# Altium PCB AVR64DA64-BREAKOUT.PcbDoc (part 3 of 4) (continued)
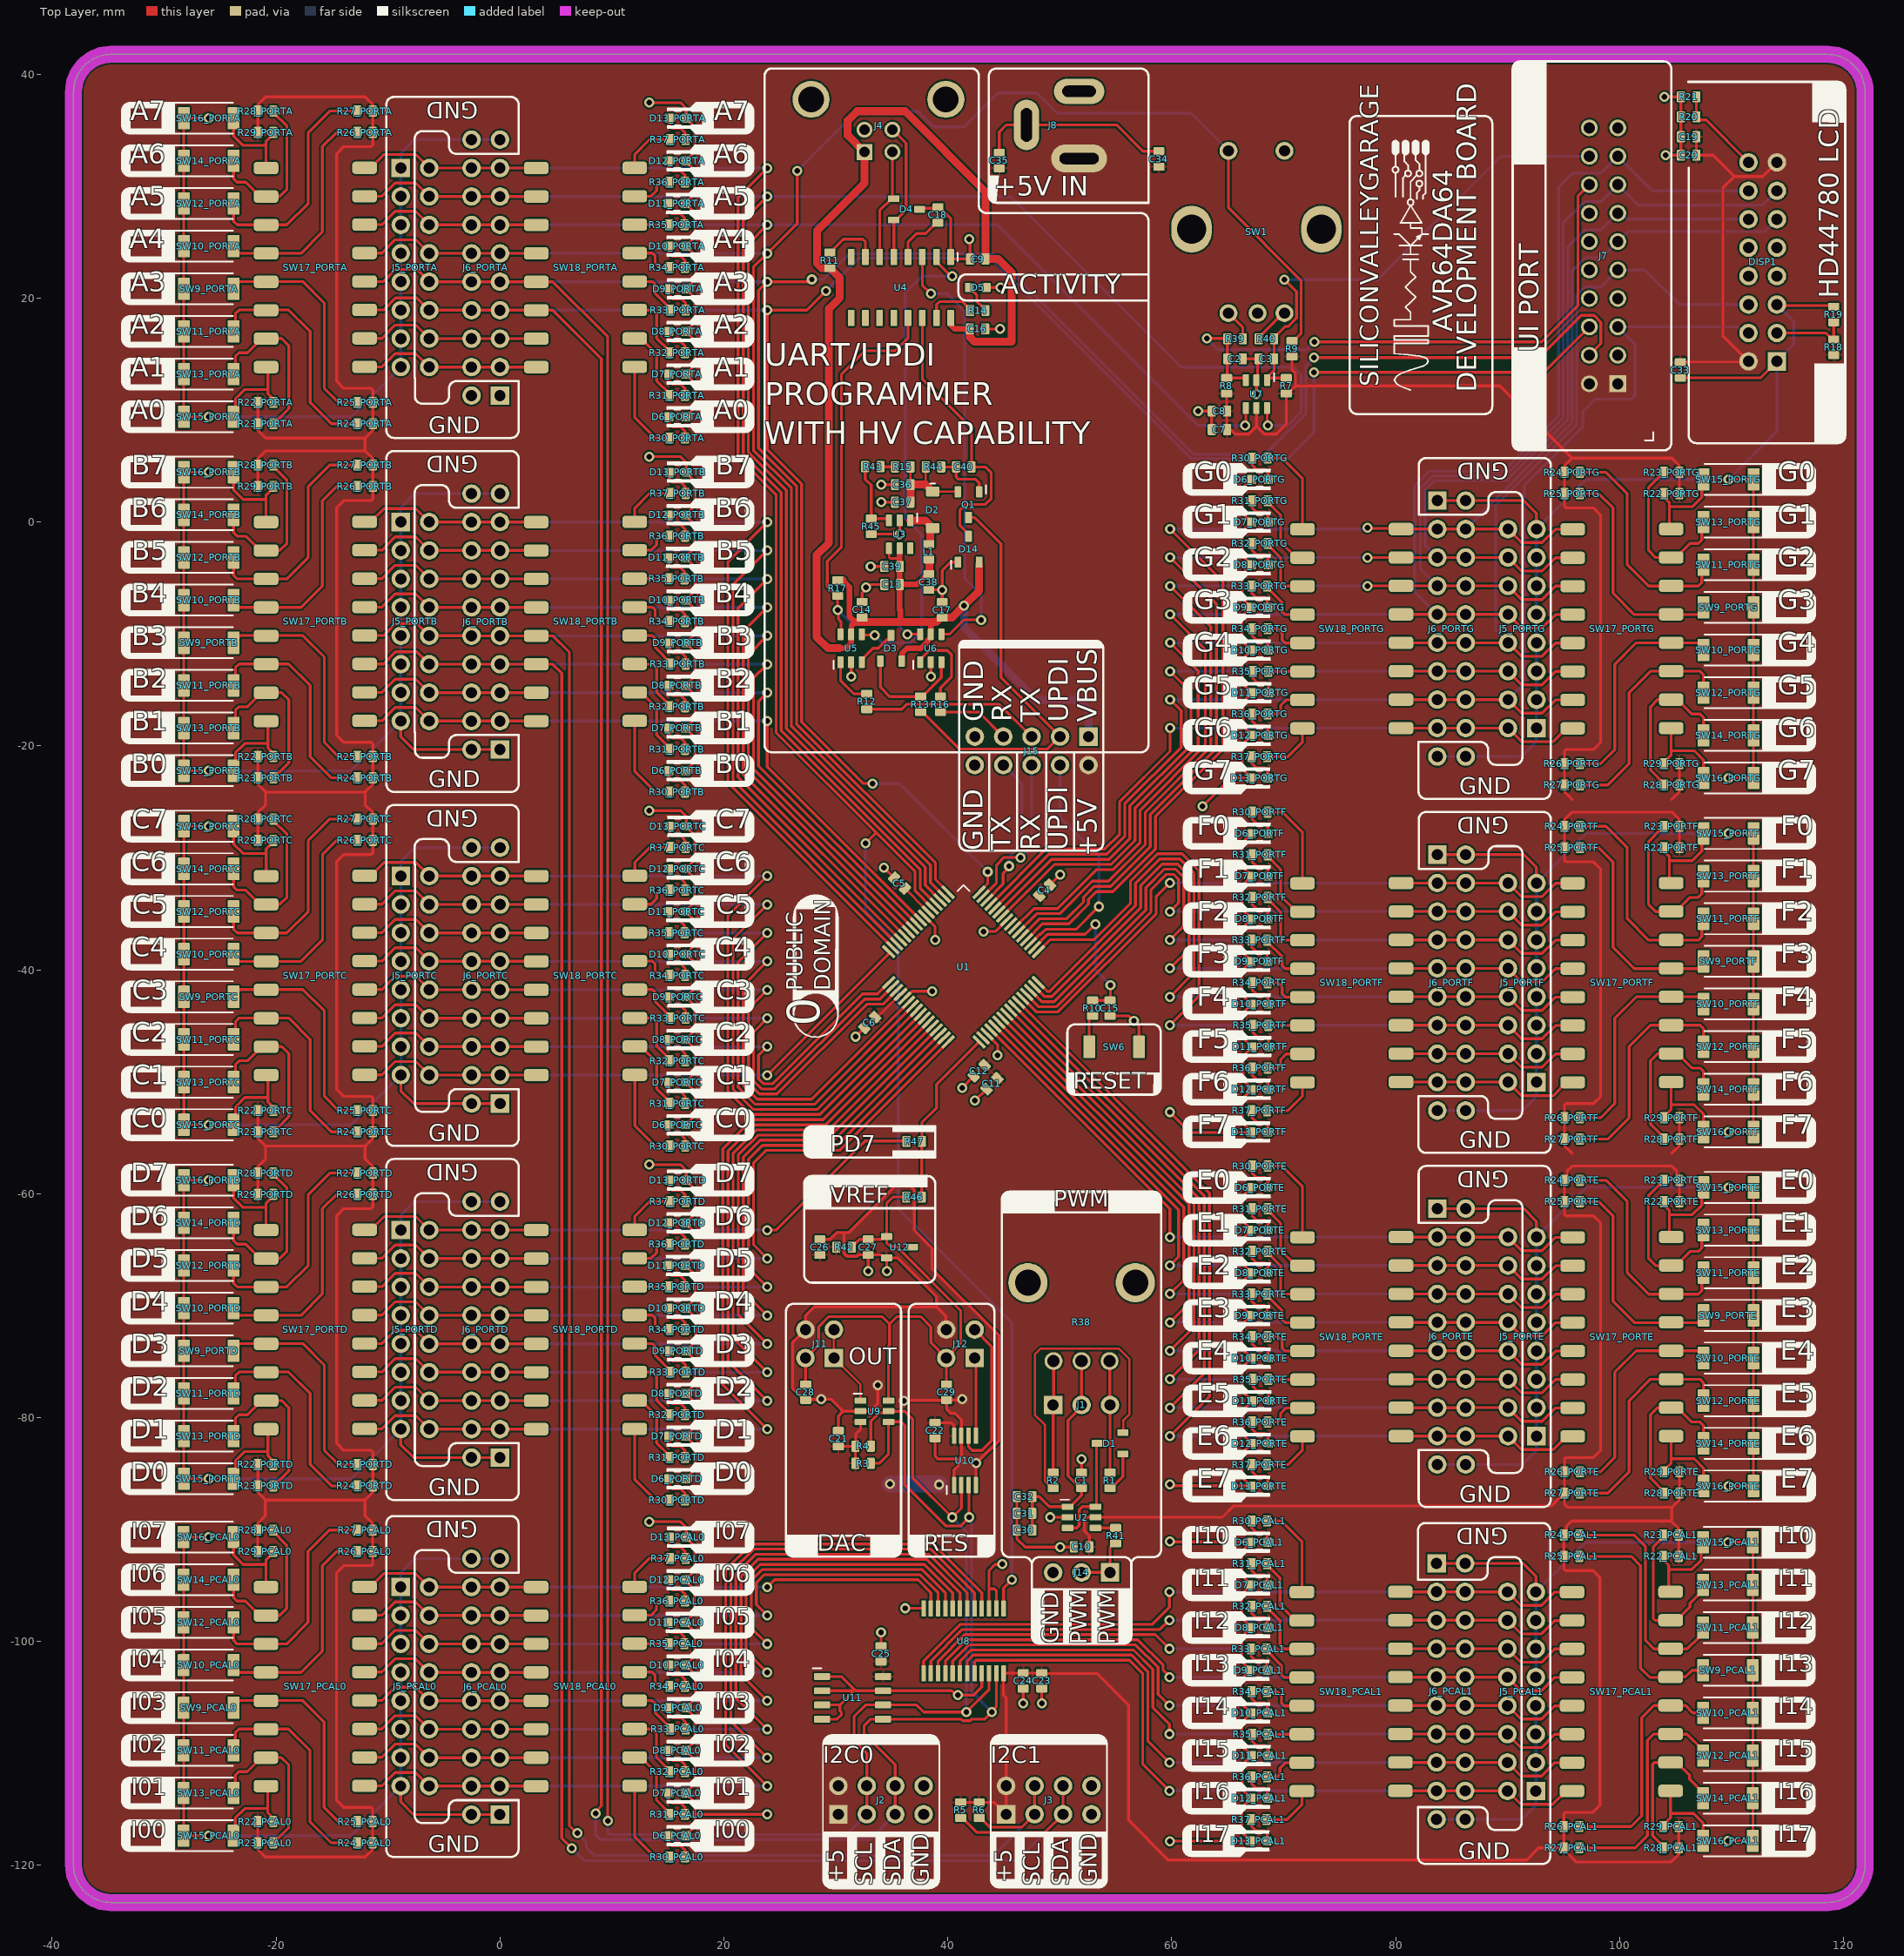
[diagram p0: Top Layer view]
## Nets (pads, with @x,y where several pads share a name; then routed paths per layer and width w, separated by ;. In a path a pad name is that pad's centre, name@x,y a point inside that pad or via, vN(x,y) a via of type N, cw(c..) or ccw(c..) an arc to the next point about the centre after c; other vN are vias at no path point) (continued)
NetR22_PORTB_2: R22_PORTB.2 SW15_PORTB.2 SW17_PORTB.16 | length 8.3
  Top Layer w0.254: SW15_PORTB.2@-23.629,-22.213 -23.629,-20.623 -22.784,-19.778 -20.729,-19.778 ; SW17_PORTB.16@-20.729,-17.755 -20.729,-19.778 ; R22_PORTB.2@-20.084,-20.943 -20.084,-20.808 -20.729,-20.163 -20.729,-19.778
NetR22_PORTC_2: R22_PORTC.2 SW15_PORTC.2 SW17_PORTC.16 | length 8.3
  Top Layer w0.254: SW15_PORTC.2@-23.625,-53.836 -23.625,-52.246 -22.78,-51.401 -20.725,-51.401 ; SW17_PORTC.16@-20.725,-49.378 -20.725,-51.401 ; R22_PORTC.2@-20.08,-52.566 -20.08,-52.431 -20.725,-51.786 -20.725,-51.401
NetR22_PORTD_2: R22_PORTD.2 SW15_PORTD.2 SW17_PORTD.16 | length 8.3
  Top Layer w0.254: SW15_PORTD.2@-23.629,-85.459 -23.629,-83.869 -22.784,-83.024 -20.729,-83.024 ; SW17_PORTD.16@-20.729,-81.001 -20.729,-83.024 ; R22_PORTD.2@-20.084,-84.189 -20.084,-84.054 -20.729,-83.409 -20.729,-83.024
NetR22_PORTE_2: R22_PORTE.2 SW15_PORTE.2 SW17_PORTE.16 | length 8.3
  Top Layer w0.254: R22_PORTE.2@103.797,-60.706 103.797,-60.841 104.442,-61.486 104.442,-61.871 ; SW17_PORTE.16@104.442,-63.894 104.442,-61.871 ; SW15_PORTE.2@107.342,-59.436 107.342,-61.026 106.497,-61.871 104.442,-61.871
NetR22_PORTF_2: R22_PORTF.2 SW15_PORTF.2 SW17_PORTF.16 | length 8.3
  Top Layer w0.254: R22_PORTF.2@103.797,-29.083 103.797,-29.218 104.442,-29.863 104.442,-30.248 ; SW17_PORTF.16@104.442,-32.271 104.442,-30.248 ; SW15_PORTF.2@107.342,-27.813 107.342,-29.403 106.497,-30.248 104.442,-30.248
NetR22_PORTG_2: R22_PORTG.2 SW15_PORTG.2 SW17_PORTG.16 | length 8.3
  Top Layer w0.254: R22_PORTG.2@103.797,2.54 103.797,2.405 104.442,1.76 104.442,1.375 ; SW17_PORTG.16@104.442,-0.648 104.442,1.375 ; SW15_PORTG.2@107.342,3.81 107.342,2.22 106.497,1.375 104.442,1.375
NetR23_PCAL0_2: R23_PCAL0.2 SW13_PCAL0.2 SW17_PCAL0.15 | length 14.8
  Top Layer w0.254: SW13_PCAL0.2@-23.641,-113.538 -23.641,-111.948 -23.326,-111.633 -22.574,-111.633 -21.291,-110.35 -20.741,-110.35 -20.729,-110.363 -19.516,-110.363 -18.881,-110.998 -18.881,-116.633 -20.096,-117.848 R23_PCAL0.2@-20.096,-117.983
NetR23_PCAL1_2: R23_PCAL1.2 SW13_PCAL1.2 SW17_PCAL1.15 | length 14.1
  Top Layer w0.254: R23_PCAL1.2@103.742,-90.491 103.674,-90.559 103.674,-90.859 103.013,-91.52 103.013,-97.962 103.162,-98.111 105.089,-98.111 106.299,-96.901 106.299,-96.564 107.452,-95.411 SW13_PCAL1.2@107.452,-94.936
NetR23_PORTA_2: R23_PORTA.2 SW13_PORTA.2 SW17_PORTA.15 | length 14.8
  Top Layer w0.254: SW13_PORTA.2@-23.629,13.22 -23.629,14.81 -23.314,15.125 -22.562,15.125 -21.279,16.408 -20.729,16.408 -20.717,16.395 -19.504,16.395 -18.869,15.76 -18.869,10.125 -20.084,8.91 R23_PORTA.2@-20.084,8.775
NetR23_PORTB_2: R23_PORTB.2 SW13_PORTB.2 SW17_PORTB.15 | length 14.8
  Top Layer w0.254: SW13_PORTB.2@-23.629,-18.403 -23.629,-16.813 -23.314,-16.498 -22.562,-16.498 -21.279,-15.215 -20.729,-15.215 -20.717,-15.228 -19.504,-15.228 -18.869,-15.863 -18.869,-21.498 -20.084,-22.713 R23_PORTB.2@-20.084,-22.848
NetR23_PORTC_2: R23_PORTC.2 SW13_PORTC.2 SW17_PORTC.15 | length 14.8
  Top Layer w0.254: SW13_PORTC.2@-23.625,-50.026 -23.625,-48.436 -23.31,-48.121 -22.558,-48.121 -21.275,-46.838 -20.725,-46.838 -20.713,-46.851 -19.5,-46.851 -18.865,-47.486 -18.865,-53.121 -20.08,-54.336 R23_PORTC.2@-20.08,-54.471
NetR23_PORTD_2: R23_PORTD.2 SW13_PORTD.2 SW17_PORTD.15 | length 14.8
  Top Layer w0.254: SW13_PORTD.2@-23.629,-81.649 -23.629,-80.059 -23.314,-79.744 -22.562,-79.744 -21.279,-78.461 -20.729,-78.461 -20.717,-78.474 -19.504,-78.474 -18.869,-79.109 -18.869,-84.744 -20.084,-85.959 R23_PORTD.2@-20.084,-86.094
NetR23_PORTE_2: R23_PORTE.2 SW13_PORTE.2 SW17_PORTE.15 | length 14.8
  Top Layer w0.254: R23_PORTE.2@103.797,-58.801 103.797,-58.936 102.582,-60.151 102.582,-65.786 103.217,-66.421 104.429,-66.421 104.442,-66.434 104.992,-66.434 106.274,-65.151 107.027,-65.151 107.342,-64.836 SW13_PORTE.2@107.342,-63.246
NetR23_PORTF_2: R23_PORTF.2 SW13_PORTF.2 SW17_PORTF.15 | length 14.8
  Top Layer w0.254: R23_PORTF.2@103.797,-27.178 103.797,-27.313 102.582,-28.528 102.582,-34.163 103.217,-34.798 104.429,-34.798 104.442,-34.811 104.992,-34.811 106.274,-33.528 107.027,-33.528 107.342,-33.213 SW13_PORTF.2@107.342,-31.623
NetR23_PORTG_2: R23_PORTG.2 SW13_PORTG.2 SW17_PORTG.15 | length 14.8
  Top Layer w0.254: R23_PORTG.2@103.797,4.445 103.797,4.31 102.582,3.095 102.582,-2.54 103.217,-3.175 104.429,-3.175 104.442,-3.188 104.992,-3.188 106.274,-1.905 107.027,-1.905 107.342,-1.59 SW13_PORTG.2@107.342,0
NetR24_PCAL0_2: R24_PCAL0.2 SW11_PCAL0.2 SW17_PCAL0.14 | length 20.7
  Top Layer w0.254: SW11_PCAL0.2@-23.641,-109.728 -23.641,-108.138 -23.314,-107.81 -20.741,-107.81 -18.894,-107.81 -16.976,-109.728 -16.976,-116.078 -15.071,-117.983 R24_PCAL0.2@-12.586,-117.983
NetR24_PCAL1_2: R24_PCAL1.2 SW11_PCAL1.2 SW17_PCAL1.14 | length 21.4
  Top Layer w0.254: R24_PCAL1.2@96.232,-90.491 101.272,-90.491 102.311,-91.53 102.311,-99.904 103.071,-100.664 106.033,-100.664 107.054,-99.643 107.054,-98.979 SW11_PCAL1.2@107.287,-98.746
NetR24_PORTA_2: R24_PORTA.2 SW11_PORTA.2 SW17_PORTA.14 | length 20.7
  Top Layer w0.254: SW11_PORTA.2@-23.629,17.03 -23.629,18.62 -23.302,18.948 -20.729,18.948 -18.882,18.948 -16.964,17.03 -16.964,10.68 -15.059,8.775 R24_PORTA.2@-12.574,8.775
NetR24_PORTB_2: R24_PORTB.2 SW11_PORTB.2 SW17_PORTB.14 | length 20.7
  Top Layer w0.254: SW11_PORTB.2@-23.629,-14.593 -23.629,-13.003 -23.302,-12.675 -20.729,-12.675 -18.882,-12.675 -16.964,-14.593 -16.964,-20.943 -15.059,-22.848 R24_PORTB.2@-12.574,-22.848
NetR24_PORTC_2: R24_PORTC.2 SW11_PORTC.2 SW17_PORTC.14 | length 20.7
  Top Layer w0.254: SW11_PORTC.2@-23.625,-46.216 -23.625,-44.626 -23.298,-44.298 -20.725,-44.298 -18.878,-44.298 -16.96,-46.216 -16.96,-52.566 -15.055,-54.471 R24_PORTC.2@-12.57,-54.471
NetR24_PORTD_2: R24_PORTD.2 SW11_PORTD.2 SW17_PORTD.14 | length 20.7
  Top Layer w0.254: SW11_PORTD.2@-23.629,-77.839 -23.629,-76.249 -23.302,-75.921 -20.729,-75.921 -18.882,-75.921 -16.964,-77.839 -16.964,-84.189 -15.059,-86.094 R24_PORTD.2@-12.574,-86.094
NetR24_PORTE_2: R24_PORTE.2 SW11_PORTE.2 SW17_PORTE.14 | length 20.7
  Top Layer w0.254: R24_PORTE.2@96.287,-58.801 98.772,-58.801 100.677,-60.706 100.677,-67.056 102.594,-68.974 104.442,-68.974 107.014,-68.974 107.342,-68.646 SW11_PORTE.2@107.342,-67.056
NetR24_PORTF_2: R24_PORTF.2 SW11_PORTF.2 SW17_PORTF.14 | length 20.7
  Top Layer w0.254: R24_PORTF.2@96.287,-27.178 98.772,-27.178 100.677,-29.083 100.677,-35.433 102.594,-37.351 104.442,-37.351 107.014,-37.351 107.342,-37.023 SW11_PORTF.2@107.342,-35.433
NetR24_PORTG_2: R24_PORTG.2 SW11_PORTG.2 SW17_PORTG.14 | length 20.7
  Top Layer w0.254: R24_PORTG.2@96.287,4.445 98.772,4.445 100.677,2.54 100.677,-3.81 102.594,-5.728 104.442,-5.728 107.014,-5.728 107.342,-5.4 SW11_PORTG.2@107.342,-3.81
NetR25_PCAL0_2: R25_PCAL0.2 SW9_PCAL0.2 SW17_PCAL0.13 | length 20.4
  Top Layer w0.254: SW9_PCAL0.2@-23.641,-105.918 -23.641,-105.668 -23.243,-105.27 -20.741,-105.27 -17.624,-105.27 -15.706,-107.188 -15.706,-114.808 -14.436,-116.078 R25_PCAL0.2@-12.586,-116.078
NetR25_PCAL1_2: R25_PCAL1.2 SW9_PCAL1.2 SW17_PCAL1.13 | length 21.3
  Top Layer w0.254: R25_PCAL1.2@96.232,-92.396 101.032,-92.396 101.854,-93.218 101.854,-102.362 102.696,-103.204 104.387,-103.204 104.432,-103.158 105.884,-103.158 106.486,-102.556 SW9_PCAL1.2@107.452,-102.556
NetR25_PORTA_2: R25_PORTA.2 SW9_PORTA.2 SW17_PORTA.13 | length 20.4
  Top Layer w0.254: SW9_PORTA.2@-23.629,20.84 -23.629,21.09 -23.231,21.488 -20.729,21.488 -17.612,21.488 -15.694,19.57 -15.694,11.95 -14.424,10.68 R25_PORTA.2@-12.574,10.68
NetR25_PORTB_2: R25_PORTB.2 SW9_PORTB.2 SW17_PORTB.13 | length 20.4
  Top Layer w0.254: SW9_PORTB.2@-23.629,-10.783 -23.629,-10.533 -23.231,-10.135 -20.729,-10.135 -17.612,-10.135 -15.694,-12.053 -15.694,-19.673 -14.424,-20.943 R25_PORTB.2@-12.574,-20.943
NetR25_PORTC_2: R25_PORTC.2 SW9_PORTC.2 SW17_PORTC.13 | length 20.4
  Top Layer w0.254: SW9_PORTC.2@-23.625,-42.406 -23.625,-42.156 -23.227,-41.758 -20.725,-41.758 -17.608,-41.758 -15.69,-43.676 -15.69,-51.296 -14.42,-52.566 R25_PORTC.2@-12.57,-52.566
NetR25_PORTD_2: R25_PORTD.2 SW9_PORTD.2 SW17_PORTD.13 | length 20.4
  Top Layer w0.254: SW9_PORTD.2@-23.629,-74.029 -23.629,-73.779 -23.231,-73.381 -20.729,-73.381 -17.612,-73.381 -15.694,-75.299 -15.694,-82.919 -14.424,-84.189 R25_PORTD.2@-12.574,-84.189
NetR25_PORTE_2: R25_PORTE.2 SW9_PORTE.2 SW17_PORTE.13 | length 20.4
  Top Layer w0.254: R25_PORTE.2@96.287,-60.706 98.137,-60.706 99.407,-61.976 99.407,-69.596 101.324,-71.514 104.442,-71.514 106.944,-71.514 107.342,-71.116 SW9_PORTE.2@107.342,-70.866
NetR25_PORTF_2: R25_PORTF.2 SW9_PORTF.2 SW17_PORTF.13 | length 20.4
  Top Layer w0.254: R25_PORTF.2@96.287,-29.083 98.137,-29.083 99.407,-30.353 99.407,-37.973 101.324,-39.891 104.442,-39.891 106.944,-39.891 107.342,-39.493 SW9_PORTF.2@107.342,-39.243
NetR25_PORTG_2: R25_PORTG.2 SW9_PORTG.2 SW17_PORTG.13 | length 20.4
  Top Layer w0.254: R25_PORTG.2@96.287,2.54 98.137,2.54 99.407,1.27 99.407,-6.35 101.324,-8.268 104.442,-8.268 106.944,-8.268 107.342,-7.87 SW9_PORTG.2@107.342,-7.62
NetR26_PCAL0_2: R26_PCAL0.2 SW10_PCAL0.1 SW17_PCAL0.12 | length 20.4
  Top Layer w0.254: SW10_PCAL0.1@-23.806,-102.108 -23.806,-102.358 -23.408,-102.756 SW17_PCAL0.12@-20.906,-102.756 -17.789,-102.756 -15.871,-100.838 -15.871,-93.218 -14.601,-91.948 R26_PCAL0.2@-12.751,-91.948
NetR26_PCAL1_2: R26_PCAL1.2 SW10_PCAL1.1 SW17_PCAL1.12 | length 20.9
  Top Layer w0.254: R26_PCAL1.2@96.397,-116.526 101.025,-116.526 101.981,-115.57 101.981,-106.808 103.071,-105.718 105.892,-105.718 106.54,-106.366 SW10_PCAL1.1@107.452,-106.366
NetR26_PORTA_2: R26_PORTA.2 SW10_PORTA.1 SW17_PORTA.12 | length 20.4
  Top Layer w0.254: SW10_PORTA.1@-23.794,24.65 -23.794,24.401 -23.396,24.003 SW17_PORTA.12@-20.894,24.003 -17.777,24.003 -15.859,25.92 -15.859,33.54 -14.589,34.81 R26_PORTA.2@-12.739,34.81
NetR26_PORTB_2: R26_PORTB.2 SW10_PORTB.1 SW17_PORTB.12 | length 20.4
  Top Layer w0.254: SW10_PORTB.1@-23.794,-6.973 -23.794,-7.222 -23.396,-7.62 SW17_PORTB.12@-20.894,-7.62 -17.777,-7.62 -15.859,-5.703 -15.859,1.917 -14.589,3.187 R26_PORTB.2@-12.739,3.187
NetR26_PORTC_2: R26_PORTC.2 SW10_PORTC.1 SW17_PORTC.12 | length 20.4
  Top Layer w0.254: SW10_PORTC.1@-23.79,-38.596 -23.79,-38.845 -23.392,-39.243 SW17_PORTC.12@-20.89,-39.243 -17.773,-39.243 -15.855,-37.326 -15.855,-29.706 -14.585,-28.436 R26_PORTC.2@-12.735,-28.436
NetR26_PORTD_2: R26_PORTD.2 SW10_PORTD.1 SW17_PORTD.12 | length 20.4
  Top Layer w0.254: SW10_PORTD.1@-23.794,-70.219 -23.794,-70.468 -23.396,-70.866 SW17_PORTD.12@-20.894,-70.866 -17.777,-70.866 -15.859,-68.949 -15.859,-61.329 -14.589,-60.059 R26_PORTD.2@-12.739,-60.059
NetR26_PORTE_2: R26_PORTE.2 SW10_PORTE.1 SW17_PORTE.12 | length 20.4
  Top Layer w0.254: R26_PORTE.2@96.452,-84.836 98.302,-84.836 99.572,-83.566 99.572,-75.946 101.489,-74.028 SW17_PORTE.12@104.607,-74.028 107.109,-74.028 107.507,-74.426 SW10_PORTE.1@107.507,-74.676
NetR26_PORTF_2: R26_PORTF.2 SW10_PORTF.1 SW17_PORTF.12 | length 20.4
  Top Layer w0.254: R26_PORTF.2@96.452,-53.213 98.302,-53.213 99.572,-51.943 99.572,-44.323 101.489,-42.405 SW17_PORTF.12@104.607,-42.405 107.109,-42.405 107.507,-42.803 SW10_PORTF.1@107.507,-43.053
NetR26_PORTG_2: R26_PORTG.2 SW10_PORTG.1 SW17_PORTG.12 | length 20.4
  Top Layer w0.254: R26_PORTG.2@96.452,-21.59 98.302,-21.59 99.572,-20.32 99.572,-12.7 101.489,-10.782 SW17_PORTG.12@104.607,-10.782 107.109,-10.782 107.507,-11.18 SW10_PORTG.1@107.507,-11.43
NetR27_PCAL0_2: R27_PCAL0.2 SW12_PCAL0.1 SW17_PCAL0.11 | length 20.7
  Top Layer w0.254: SW12_PCAL0.1@-23.806,-98.298 -23.806,-99.888 -23.479,-100.216 SW17_PCAL0.11@-20.906,-100.215 -19.059,-100.216 -17.141,-98.298 -17.141,-91.948 -15.236,-90.043 R27_PCAL0.2@-12.751,-90.043
NetR27_PCAL1_2: R27_PCAL1.2 SW12_PCAL1.1 SW17_PCAL1.11 | length 21.3
  Top Layer w0.254: R27_PCAL1.2@96.397,-118.431 101.406,-118.431 102.489,-117.348 102.489,-108.84 103.071,-108.258 SW17_PCAL1.11@104.552,-108.258 104.575,-108.282 106.033,-108.282 107.452,-109.701 SW12_PCAL1.1@107.452,-110.176
NetR27_PORTA_2: R27_PORTA.2 SW12_PORTA.1 SW17_PORTA.11 | length 20.7
  Top Layer w0.254: SW12_PORTA.1@-23.794,28.46 -23.794,26.87 -23.467,26.543 SW17_PORTA.11@-20.894,26.543 -19.047,26.543 -17.129,28.46 -17.129,34.81 -15.224,36.715 R27_PORTA.2@-12.739,36.715
NetR27_PORTB_2: R27_PORTB.2 SW12_PORTB.1 SW17_PORTB.11 | length 20.7
  Top Layer w0.254: SW12_PORTB.1@-23.794,-3.163 -23.794,-4.753 -23.467,-5.08 SW17_PORTB.11@-20.894,-5.08 -19.047,-5.08 -17.129,-3.163 -17.129,3.187 -15.224,5.092 R27_PORTB.2@-12.739,5.092
NetR27_PORTC_2: R27_PORTC.2 SW12_PORTC.1 SW17_PORTC.11 | length 20.7
  Top Layer w0.254: SW12_PORTC.1@-23.79,-34.786 -23.79,-36.376 -23.463,-36.703 SW17_PORTC.11@-20.89,-36.703 -19.043,-36.703 -17.125,-34.786 -17.125,-28.436 -15.22,-26.531 R27_PORTC.2@-12.735,-26.531
NetR27_PORTD_2: R27_PORTD.2 SW12_PORTD.1 SW17_PORTD.11 | length 20.7
  Top Layer w0.254: SW12_PORTD.1@-23.794,-66.409 -23.794,-67.999 -23.467,-68.326 SW17_PORTD.11@-20.894,-68.326 -19.047,-68.326 -17.129,-66.409 -17.129,-60.059 -15.224,-58.154 R27_PORTD.2@-12.739,-58.154
NetR27_PORTE_2: R27_PORTE.2 SW12_PORTE.1 SW17_PORTE.11 | length 20.7
  Top Layer w0.254: R27_PORTE.2@96.452,-86.741 98.937,-86.741 100.842,-84.836 100.842,-78.486 102.759,-76.568 SW17_PORTE.11@104.607,-76.568 107.179,-76.568 107.507,-76.896 SW12_PORTE.1@107.507,-78.486
NetR27_PORTF_2: R27_PORTF.2 SW12_PORTF.1 SW17_PORTF.11 | length 20.7
  Top Layer w0.254: R27_PORTF.2@96.452,-55.118 98.937,-55.118 100.842,-53.213 100.842,-46.863 102.759,-44.945 SW17_PORTF.11@104.607,-44.945 107.179,-44.945 107.507,-45.273 SW12_PORTF.1@107.507,-46.863
NetR27_PORTG_2: R27_PORTG.2 SW12_PORTG.1 SW17_PORTG.11 | length 20.7
  Top Layer w0.254: R27_PORTG.2@96.452,-23.495 98.937,-23.495 100.842,-21.59 100.842,-15.24 102.759,-13.322 SW17_PORTG.11@104.607,-13.322 107.179,-13.322 107.507,-13.65 SW12_PORTG.1@107.507,-15.24
NetR28_PCAL0_2: R28_PCAL0.2 SW14_PCAL0.1 SW17_PCAL0.10 | length 14.8
  Top Layer w0.254: SW14_PCAL0.1@-23.806,-94.488 -23.806,-96.078 -23.491,-96.393 -22.739,-96.393 -21.456,-97.676 SW17_PCAL0.10@-20.906,-97.676 -20.894,-97.663 -19.681,-97.663 -19.046,-97.028 -19.046,-91.393 -20.261,-90.178 R28_PCAL0.2@-20.261,-90.043
NetR28_PCAL1_2: R28_PCAL1.2 SW14_PCAL1.1 SW17_PCAL1.10 | length 14.2
  Top Layer w0.254: R28_PCAL1.2@103.907,-118.431 103.907,-118.296 102.946,-117.335 102.946,-110.96 103.095,-110.811 SW17_PCAL1.10@104.552,-110.811 ; SW17_PCAL1.10@104.552,-110.799 105.102,-110.799 106.244,-111.94 106.244,-112.303 107.452,-113.511 SW14_PCAL1.1@107.452,-113.986
NetR28_PORTA_2: R28_PORTA.2 SW14_PORTA.1 SW17_PORTA.10 | length 14.8
  Top Layer w0.254: SW14_PORTA.1@-23.794,32.27 -23.794,30.68 -23.479,30.365 -22.727,30.365 -21.444,29.083 SW17_PORTA.10@-20.894,29.083 -20.882,29.095 -19.669,29.095 -19.034,29.73 -19.034,35.365 -20.249,36.58 R28_PORTA.2@-20.249,36.715
NetR28_PORTB_2: R28_PORTB.2 SW14_PORTB.1 SW17_PORTB.10 | length 14.8
  Top Layer w0.254: SW14_PORTB.1@-23.794,0.647 -23.794,-0.943 -23.479,-1.258 -22.727,-1.258 -21.444,-2.54 SW17_PORTB.10@-20.894,-2.54 -20.882,-2.528 -19.669,-2.528 -19.034,-1.893 -19.034,3.742 -20.249,4.957 R28_PORTB.2@-20.249,5.092
NetR28_PORTC_2: R28_PORTC.2 SW14_PORTC.1 SW17_PORTC.10 | length 14.8
  Top Layer w0.254: SW14_PORTC.1@-23.79,-30.976 -23.79,-32.566 -23.475,-32.881 -22.723,-32.881 -21.44,-34.163 SW17_PORTC.10@-20.89,-34.163 -20.878,-34.151 -19.665,-34.151 -19.03,-33.516 -19.03,-27.881 -20.245,-26.666 R28_PORTC.2@-20.245,-26.531
NetR28_PORTD_2: R28_PORTD.2 SW14_PORTD.1 SW17_PORTD.10 | length 14.8
  Top Layer w0.254: SW14_PORTD.1@-23.794,-62.599 -23.794,-64.189 -23.479,-64.504 -22.727,-64.504 -21.444,-65.786 SW17_PORTD.10@-20.894,-65.786 -20.882,-65.774 -19.669,-65.774 -19.034,-65.139 -19.034,-59.504 -20.249,-58.289 R28_PORTD.2@-20.249,-58.154
NetR28_PORTE_2: R28_PORTE.2 SW14_PORTE.1 SW17_PORTE.10 | length 14.8
  Top Layer w0.254: R28_PORTE.2@103.962,-86.741 103.962,-86.606 102.747,-85.391 102.747,-79.756 103.382,-79.121 104.594,-79.121 SW17_PORTE.10@104.607,-79.108 105.157,-79.108 106.439,-80.391 107.192,-80.391 107.507,-80.706 SW14_PORTE.1@107.507,-82.296
NetR28_PORTF_2: R28_PORTF.2 SW14_PORTF.1 SW17_PORTF.10 | length 14.8
  Top Layer w0.254: R28_PORTF.2@103.962,-55.118 103.962,-54.983 102.747,-53.768 102.747,-48.133 103.382,-47.498 104.594,-47.498 SW17_PORTF.10@104.607,-47.485 105.157,-47.485 106.439,-48.768 107.192,-48.768 107.507,-49.083 SW14_PORTF.1@107.507,-50.673
NetR28_PORTG_2: R28_PORTG.2 SW14_PORTG.1 SW17_PORTG.10 | length 14.8
  Top Layer w0.254: R28_PORTG.2@103.962,-23.495 103.962,-23.36 102.747,-22.145 102.747,-16.51 103.382,-15.875 104.594,-15.875 SW17_PORTG.10@104.607,-15.862 105.157,-15.862 106.439,-17.145 107.192,-17.145 107.507,-17.46 SW14_PORTG.1@107.507,-19.05
NetR29_PCAL0_2: R29_PCAL0.2 SW16_PCAL0.1 SW17_PCAL0.9 | length 8.3
  Top Layer w0.254: SW16_PCAL0.1@-23.806,-90.678 -23.806,-92.268 -22.961,-93.113 -20.906,-93.113 ; SW17_PCAL0.9@-20.906,-95.136 -20.906,-93.113 ; R29_PCAL0.2@-20.261,-91.948 -20.261,-92.083 -20.906,-92.728 -20.906,-93.113
NetR29_PCAL1_2: R29_PCAL1.2 SW16_PCAL1.1 SW17_PCAL1.9 | length 8.3
  Top Layer w0.254: R29_PCAL1.2@103.907,-116.526 103.907,-116.391 104.552,-115.746 104.552,-115.361 ; SW17_PCAL1.9@104.552,-113.338 104.552,-115.361 ; SW16_PCAL1.1@107.452,-117.796 107.452,-116.206 106.607,-115.361 104.552,-115.361
NetR29_PORTA_2: R29_PORTA.2 SW16_PORTA.1 SW17_PORTA.9 | length 8.3
  Top Layer w0.254: SW16_PORTA.1@-23.794,36.08 -23.794,34.49 -22.949,33.645 -20.894,33.645 ; SW17_PORTA.9@-20.894,31.623 -20.894,33.645 ; R29_PORTA.2@-20.249,34.81 -20.249,34.675 -20.894,34.03 -20.894,33.645
NetR29_PORTB_2: R29_PORTB.2 SW16_PORTB.1 SW17_PORTB.9 | length 8.3
  Top Layer w0.254: SW16_PORTB.1@-23.794,4.457 -23.794,2.867 -22.949,2.022 -20.894,2.022 ; SW17_PORTB.9@-20.894,0 -20.894,2.022 ; R29_PORTB.2@-20.249,3.187 -20.249,3.052 -20.894,2.407 -20.894,2.022
NetR29_PORTC_2: R29_PORTC.2 SW16_PORTC.1 SW17_PORTC.9 | length 8.3
  Top Layer w0.254: SW16_PORTC.1@-23.79,-27.166 -23.79,-28.756 -22.945,-29.601 -20.89,-29.601 ; SW17_PORTC.9@-20.89,-31.623 -20.89,-29.601 ; R29_PORTC.2@-20.245,-28.436 -20.245,-28.571 -20.89,-29.216 -20.89,-29.601
NetR29_PORTD_2: R29_PORTD.2 SW16_PORTD.1 SW17_PORTD.9 | length 8.3
  Top Layer w0.254: SW16_PORTD.1@-23.794,-58.789 -23.794,-60.379 -22.949,-61.224 -20.894,-61.224 ; SW17_PORTD.9@-20.894,-63.246 -20.894,-61.224 ; R29_PORTD.2@-20.249,-60.059 -20.249,-60.194 -20.894,-60.839 -20.894,-61.224
NetR29_PORTE_2: R29_PORTE.2 SW16_PORTE.1 SW17_PORTE.9 | length 8.3
  Top Layer w0.254: R29_PORTE.2@103.962,-84.836 103.962,-84.701 104.607,-84.056 104.607,-83.671 ; SW17_PORTE.9@104.607,-81.648 104.607,-83.671 ; SW16_PORTE.1@107.507,-86.106 107.507,-84.516 106.662,-83.671 104.607,-83.671
NetR29_PORTF_2: R29_PORTF.2 SW16_PORTF.1 SW17_PORTF.9 | length 8.3
  Top Layer w0.254: R29_PORTF.2@103.962,-53.213 103.962,-53.078 104.607,-52.433 104.607,-52.048 ; SW17_PORTF.9@104.607,-50.025 104.607,-52.048 ; SW16_PORTF.1@107.507,-54.483 107.507,-52.893 106.662,-52.048 104.607,-52.048
NetR29_PORTG_2: R29_PORTG.2 SW16_PORTG.1 SW17_PORTG.9 | length 8.3
  Top Layer w0.254: R29_PORTG.2@103.962,-21.59 103.962,-21.455 104.607,-20.81 104.607,-20.425 ; SW17_PORTG.9@104.607,-18.402 104.607,-20.425 ; SW16_PORTG.1@107.507,-22.86 107.507,-21.27 106.662,-20.425 104.607,-20.425
NetR30_PCAL0_2: R30_PCAL0.2 SW18_PCAL0.1 | length 8.4
  Top Layer w0.254: SW18_PCAL0.1@12.024,-112.891 12.024,-117.43 13.847,-119.253 R30_PCAL0.2@15.134,-119.253
NetR30_PCAL1_2: R30_PCAL1.2 SW18_PCAL1.1 | length 8.4
  Top Layer w0.254: R30_PCAL1.2@68.512,-89.221 69.799,-89.221 71.622,-91.044 SW18_PCAL1.1@71.622,-95.584
NetR30_PORTA_2: R30_PORTA.2 SW18_PORTA.1 | length 8.4
  Top Layer w0.254: SW18_PORTA.1@12.036,13.868 12.036,9.328 13.859,7.505 R30_PORTA.2@15.146,7.505
NetR30_PORTB_2: R30_PORTB.2 SW18_PORTB.1 | length 8.4
  Top Layer w0.254: SW18_PORTB.1@12.036,-17.755 12.036,-22.295 13.859,-24.118 R30_PORTB.2@15.146,-24.118
NetR30_PORTC_2: R30_PORTC.2 SW18_PORTC.1 | length 8.4
  Top Layer w0.254: SW18_PORTC.1@12.04,-49.378 12.04,-53.918 13.863,-55.741 R30_PORTC.2@15.15,-55.741
NetR30_PORTD_2: R30_PORTD.2 SW18_PORTD.1 | length 8.4
  Top Layer w0.254: SW18_PORTD.1@12.036,-81.001 12.036,-85.541 13.859,-87.364 R30_PORTD.2@15.146,-87.364
NetR30_PORTE_2: R30_PORTE.2 SW18_PORTE.1 | length 8.4
  Top Layer w0.254: R30_PORTE.2@68.567,-57.531 69.854,-57.531 71.677,-59.354 SW18_PORTE.1@71.677,-63.893
NetR30_PORTF_2: R30_PORTF.2 SW18_PORTF.1 | length 8.4
  Top Layer w0.254: R30_PORTF.2@68.567,-25.908 69.854,-25.908 71.677,-27.731 SW18_PORTF.1@71.677,-32.27
NetR30_PORTG_2: R30_PORTG.2 SW18_PORTG.1 | length 8.4
  Top Layer w0.254: R30_PORTG.2@68.567,5.715 69.854,5.715 71.677,3.892 SW18_PORTG.1@71.677,-0.647
NetR31_PCAL0_2: R31_PCAL0.2 SW18_PCAL0.2 | length 6.7
  Top Layer w0.254: SW18_PCAL0.2@12.024,-110.351 12.574,-110.351 13.974,-111.751 13.974,-114.148 15.134,-115.308 R31_PCAL0.2@15.134,-115.443
NetR31_PCAL1_2: R31_PCAL1.2 SW18_PCAL1.2 | length 6.7
  Top Layer w0.254: R31_PCAL1.2@68.512,-93.031 68.512,-93.166 69.672,-94.326 69.672,-96.723 71.072,-98.123 SW18_PCAL1.2@71.622,-98.123
NetR31_PORTA_2: R31_PORTA.2 SW18_PORTA.2 | length 6.7
  Top Layer w0.254: SW18_PORTA.2@12.036,16.408 12.586,16.408 13.986,15.008 13.986,12.61 15.146,11.45 R31_PORTA.2@15.146,11.315
NetR31_PORTB_2: R31_PORTB.2 SW18_PORTB.2 | length 6.7
  Top Layer w0.254: SW18_PORTB.2@12.036,-15.215 12.586,-15.215 13.986,-16.615 13.986,-19.013 15.146,-20.173 R31_PORTB.2@15.146,-20.308
NetR31_PORTC_2: R31_PORTC.2 SW18_PORTC.2 | length 6.7
  Top Layer w0.254: SW18_PORTC.2@12.04,-46.838 12.59,-46.838 13.99,-48.238 13.99,-50.636 15.15,-51.796 R31_PORTC.2@15.15,-51.931
NetR31_PORTD_2: R31_PORTD.2 SW18_PORTD.2 | length 6.7
  Top Layer w0.254: SW18_PORTD.2@12.036,-78.461 12.586,-78.461 13.986,-79.861 13.986,-82.259 15.146,-83.419 R31_PORTD.2@15.146,-83.554
NetR31_PORTE_2: R31_PORTE.2 SW18_PORTE.2 | length 6.7
  Top Layer w0.254: R31_PORTE.2@68.567,-61.341 68.567,-61.476 69.727,-62.636 69.727,-65.033 71.127,-66.433 SW18_PORTE.2@71.677,-66.433
NetR31_PORTF_2: R31_PORTF.2 SW18_PORTF.2 | length 6.7
  Top Layer w0.254: R31_PORTF.2@68.567,-29.718 68.567,-29.853 69.727,-31.013 69.727,-33.41 71.127,-34.81 SW18_PORTF.2@71.677,-34.81
NetR31_PORTG_2: R31_PORTG.2 SW18_PORTG.2 | length 6.7
  Top Layer w0.254: R31_PORTG.2@68.567,1.905 68.567,1.77 69.727,0.61 69.727,-1.787 71.127,-3.187 SW18_PORTG.2@71.677,-3.187
NetR32_PCAL0_2: R32_PCAL0.2 SW18_PCAL0.3 | length 6
  Top Layer w0.254: SW18_PCAL0.3@12.024,-107.811 12.036,-107.823 13.593,-107.823 13.974,-108.204 13.974,-110.338 15.134,-111.498 R32_PCAL0.2@15.134,-111.633
NetR32_PCAL1_2: R32_PCAL1.2 SW18_PCAL1.3 | length 6
  Top Layer w0.254: R32_PCAL1.2@68.512,-96.841 68.512,-96.976 69.672,-98.136 69.672,-100.27 70.053,-100.651 71.609,-100.651 SW18_PCAL1.3@71.622,-100.663
NetR32_PORTA_2: R32_PORTA.2 SW18_PORTA.3 | length 6
  Top Layer w0.254: SW18_PORTA.3@12.036,18.948 12.048,18.935 13.605,18.935 13.986,18.554 13.986,16.42 15.146,15.26 R32_PORTA.2@15.146,15.125
NetR32_PORTB_2: R32_PORTB.2 SW18_PORTB.3 | length 6
  Top Layer w0.254: SW18_PORTB.3@12.036,-12.675 12.048,-12.688 13.605,-12.688 13.986,-13.069 13.986,-15.203 15.146,-16.363 R32_PORTB.2@15.146,-16.498
NetR32_PORTC_2: R32_PORTC.2 SW18_PORTC.3 | length 6
  Top Layer w0.254: SW18_PORTC.3@12.04,-44.298 12.052,-44.311 13.609,-44.311 13.99,-44.692 13.99,-46.826 15.15,-47.986 R32_PORTC.2@15.15,-48.121
NetR32_PORTD_2: R32_PORTD.2 SW18_PORTD.3 | length 6
  Top Layer w0.254: SW18_PORTD.3@12.036,-75.921 12.048,-75.934 13.605,-75.934 13.986,-76.315 13.986,-78.449 15.146,-79.609 R32_PORTD.2@15.146,-79.744
NetR32_PORTE_2: R32_PORTE.2 SW18_PORTE.3 | length 6
  Top Layer w0.254: R32_PORTE.2@68.567,-65.151 68.567,-65.286 69.727,-66.446 69.727,-68.58 70.108,-68.961 71.664,-68.961 SW18_PORTE.3@71.677,-68.973
NetR32_PORTF_2: R32_PORTF.2 SW18_PORTF.3 | length 6
  Top Layer w0.254: R32_PORTF.2@68.567,-33.528 68.567,-33.663 69.727,-34.823 69.727,-36.957 70.108,-37.338 71.664,-37.338 SW18_PORTF.3@71.677,-37.35
NetR32_PORTG_2: R32_PORTG.2 SW18_PORTG.3 | length 6
  Top Layer w0.254: R32_PORTG.2@68.567,-1.905 68.567,-2.04 69.727,-3.2 69.727,-5.334 70.108,-5.715 71.664,-5.715 SW18_PORTG.3@71.677,-5.727
NetR33_PCAL0_2: R33_PCAL0.2 SW18_PCAL0.4 | length 4.8
  Top Layer w0.254: SW18_PCAL0.4@12.024,-105.271 13.58,-105.271 13.847,-105.537 13.847,-106.346 15.189,-107.688 R33_PCAL0.2@15.189,-107.823
NetR33_PCAL1_2: R33_PCAL1.2 SW18_PCAL1.4 | length 4.8
  Top Layer w0.254: R33_PCAL1.2@68.457,-100.651 68.457,-100.786 69.799,-102.128 69.799,-102.937 70.065,-103.203 SW18_PCAL1.4@71.622,-103.203
NetR33_PORTA_2: R33_PORTA.2 SW18_PORTA.4 | length 4.8
  Top Layer w0.254: SW18_PORTA.4@12.036,21.488 13.592,21.488 13.859,21.221 13.859,20.412 15.201,19.07 R33_PORTA.2@15.201,18.935
NetR33_PORTB_2: R33_PORTB.2 SW18_PORTB.4 | length 4.8
  Top Layer w0.254: SW18_PORTB.4@12.036,-10.135 13.592,-10.135 13.859,-10.402 13.859,-11.211 15.201,-12.553 R33_PORTB.2@15.201,-12.688
NetR33_PORTC_2: R33_PORTC.2 SW18_PORTC.4 | length 4.8
  Top Layer w0.254: SW18_PORTC.4@12.04,-41.758 13.596,-41.758 13.863,-42.025 13.863,-42.834 15.205,-44.176 R33_PORTC.2@15.205,-44.311
NetR33_PORTD_2: R33_PORTD.2 SW18_PORTD.4 | length 4.8
  Top Layer w0.254: SW18_PORTD.4@12.036,-73.381 13.592,-73.381 13.859,-73.648 13.859,-74.457 15.201,-75.799 R33_PORTD.2@15.201,-75.934
NetR33_PORTE_2: R33_PORTE.2 SW18_PORTE.4 | length 4.8
  Top Layer w0.254: R33_PORTE.2@68.512,-68.961 68.512,-69.096 69.854,-70.438 69.854,-71.247 70.12,-71.513 SW18_PORTE.4@71.677,-71.513
NetR33_PORTF_2: R33_PORTF.2 SW18_PORTF.4 | length 4.8
  Top Layer w0.254: R33_PORTF.2@68.512,-37.338 68.512,-37.473 69.854,-38.815 69.854,-39.624 70.12,-39.89 SW18_PORTF.4@71.677,-39.89
NetR33_PORTG_2: R33_PORTG.2 SW18_PORTG.4 | length 4.8
  Top Layer w0.254: R33_PORTG.2@68.512,-5.715 68.512,-5.85 69.854,-7.192 69.854,-8.001 70.12,-8.267 SW18_PORTG.4@71.677,-8.267
NetR34_PCAL0_2: R34_PCAL0.2 SW18_PCAL0.5 | length 4
  Top Layer w0.254: SW18_PCAL0.5@12.024,-102.731 13.58,-102.731 13.847,-102.997 13.847,-103.632 14.228,-104.013 R34_PCAL0.2@15.134,-104.013
NetR34_PCAL1_2: R34_PCAL1.2 SW18_PCAL1.5 | length 4
  Top Layer w0.254: R34_PCAL1.2@68.512,-104.461 69.418,-104.461 69.799,-104.842 69.799,-105.477 70.065,-105.743 SW18_PCAL1.5@71.622,-105.743
NetR34_PORTA_2: R34_PORTA.2 SW18_PORTA.5 | length 4
  Top Layer w0.254: SW18_PORTA.5@12.036,24.028 13.592,24.028 13.859,23.761 13.859,23.126 14.24,22.745 R34_PORTA.2@15.146,22.745
NetR34_PORTB_2: R34_PORTB.2 SW18_PORTB.5 | length 4
  Top Layer w0.254: SW18_PORTB.5@12.036,-7.595 13.592,-7.595 13.859,-7.862 13.859,-8.497 14.24,-8.878 R34_PORTB.2@15.146,-8.878
NetR34_PORTC_2: R34_PORTC.2 SW18_PORTC.5 | length 4
  Top Layer w0.254: SW18_PORTC.5@12.04,-39.218 13.596,-39.218 13.863,-39.485 13.863,-40.12 14.244,-40.501 R34_PORTC.2@15.15,-40.501
NetR34_PORTD_2: R34_PORTD.2 SW18_PORTD.5 | length 4
  Top Layer w0.254: SW18_PORTD.5@12.036,-70.841 13.592,-70.841 13.859,-71.108 13.859,-71.743 14.24,-72.124 R34_PORTD.2@15.146,-72.124
NetR34_PORTE_2: R34_PORTE.2 SW18_PORTE.5 | length 4
  Top Layer w0.254: R34_PORTE.2@68.567,-72.771 69.473,-72.771 69.854,-73.152 69.854,-73.787 70.12,-74.053 SW18_PORTE.5@71.677,-74.053
NetR34_PORTF_2: R34_PORTF.2 SW18_PORTF.5 | length 4
  Top Layer w0.254: R34_PORTF.2@68.567,-41.148 69.473,-41.148 69.854,-41.529 69.854,-42.164 70.12,-42.43 SW18_PORTF.5@71.677,-42.43
NetR34_PORTG_2: R34_PORTG.2 SW18_PORTG.5 | length 4
  Top Layer w0.254: R34_PORTG.2@68.567,-9.525 69.473,-9.525 69.854,-9.906 69.854,-10.541 70.12,-10.807 SW18_PORTG.5@71.677,-10.807
NetR35_PCAL0_2: R35_PCAL0.2 SW18_PCAL0.6 | length 3.1
  Top Layer w0.254: SW18_PCAL0.6@12.024,-100.191 15.067,-100.191 R35_PCAL0.2@15.079,-100.203
NetR35_PCAL1_2: R35_PCAL1.2 SW18_PCAL1.6 | length 3.1
  Top Layer w0.254: R35_PCAL1.2@68.567,-108.271 68.579,-108.283 SW18_PCAL1.6@71.622,-108.283
NetR35_PORTA_2: R35_PORTA.2 SW18_PORTA.6 | length 3.1
  Top Layer w0.254: SW18_PORTA.6@12.036,26.568 15.079,26.568 R35_PORTA.2@15.091,26.555
NetR35_PORTB_2: R35_PORTB.2 SW18_PORTB.6 | length 3.1
  Top Layer w0.254: SW18_PORTB.6@12.036,-5.055 15.079,-5.055 R35_PORTB.2@15.091,-5.068
NetR35_PORTC_2: R35_PORTC.2 SW18_PORTC.6 | length 3.1
  Top Layer w0.254: SW18_PORTC.6@12.04,-36.678 15.082,-36.678 R35_PORTC.2@15.095,-36.691
NetR35_PORTD_2: R35_PORTD.2 SW18_PORTD.6 | length 3.1
  Top Layer w0.254: SW18_PORTD.6@12.036,-68.301 15.079,-68.301 R35_PORTD.2@15.091,-68.314